# KiCad board CanardBoard.kicad_pcb (continued)
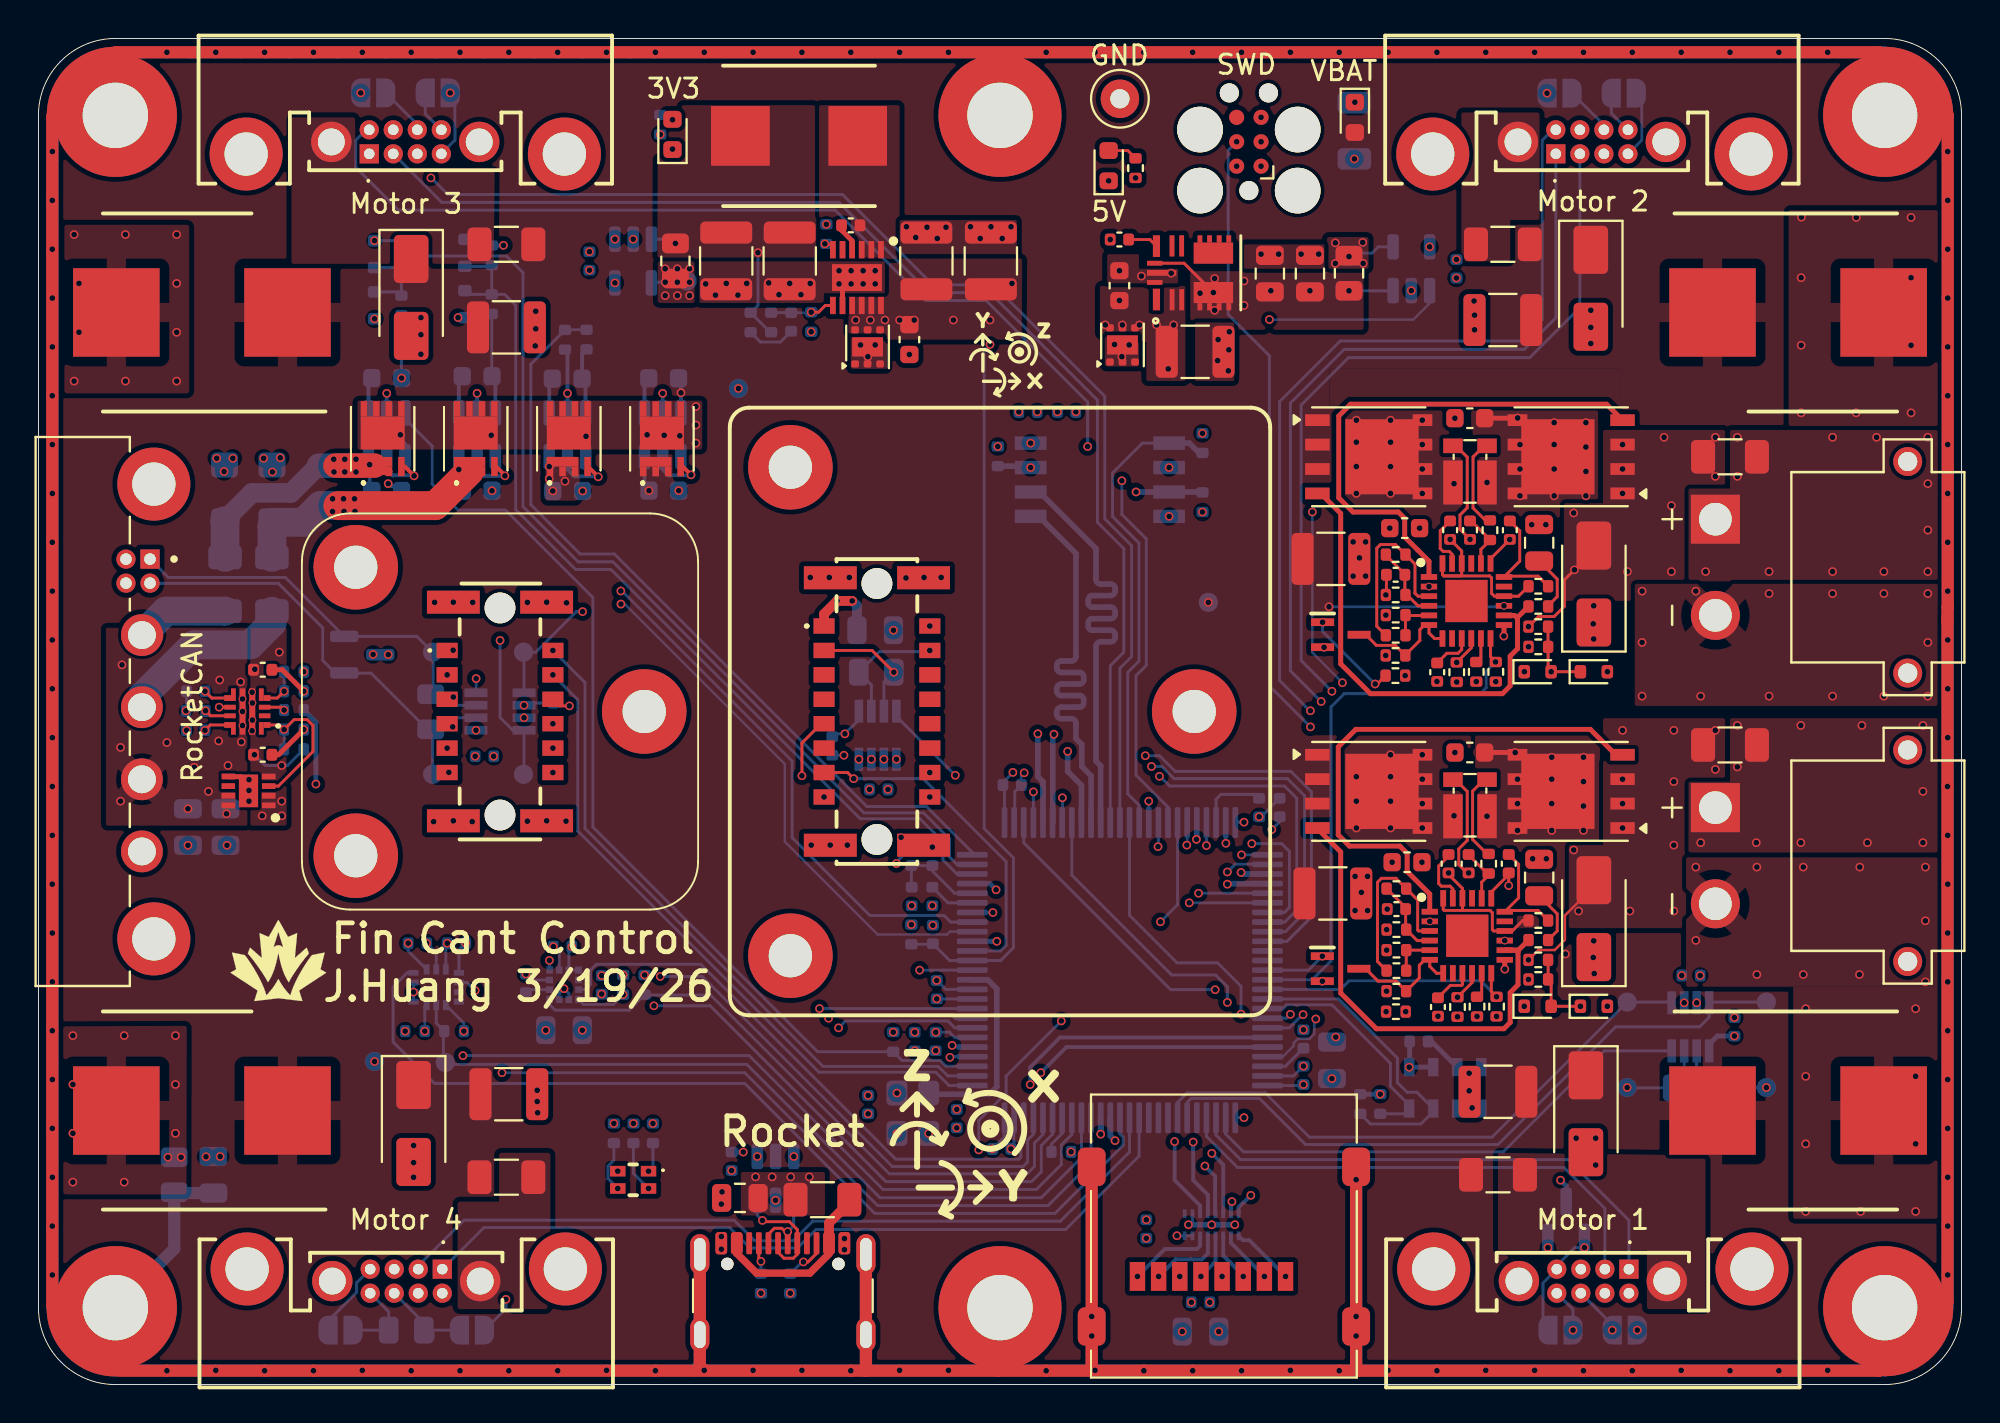
[diagram p0: board, top side]
## Routing (per net, layer and track width the routed paths; a pad name or vN(x,y) marks a point on that pad's centre or on a via; arc(x,y) is an arc through that point) (continued)
/Processor/VDDA: length 5.1
  Bottom w0.152: U1.21 47.64,25.55 46.48,26.71 C14.1 FB1.1 45.39,25.88 45.41,25.86
GND: length 50.3
  Top w0.152: v2(9.4,35.22) U14.8 ; 70.09,42.14 70.09,41.18 70.06,41.15 v2(70.06,41.06) ; v2(21.56,38.19) 21.55,38.17 J12.A1 ; 76.21,38.93 v2(76.2,38.92) ; v2(76.25,21.6) 76.25,21.7 76.25,21.71
  Top w0.203: 41.81,57.06 v2(41.63,57.24)
  Top w0.254: v2(10.95,31.46) 10.69,31.46 10.54,31.61 9.89,31.61 U24.5 ; C91.2 12.49,32.75 v2(13.79,34.06) ; U4.13 76.21,38.93 ; 76.25,21.71 U5.13 ; v2(13.79,36.05) 12.68,37.17 11.99,37.17 ; 41.81,56.12 41.81,57.06
  Bottom w0.152: U21.7 21.18,22.88 v2(21.26,22.95) ; v2(63.47,29.53) 63.58,29.53 C9.2 ; v2(25.35,21.35) 25.66,21.04 U15.6 ; v2(46.71,20.05) 46.96,20.05 46.97,20.05 U1.10 ; U21.3 v2(19.5,20.41) U21.1 ; 50.72,12.28 50.72,13.86 U1.99 ; v2(61.01,8.31) 60.01,8.31 60.01,8.88 U22.2 ; U1.74 65.27,16.05 v2(65.78,16.56) ; v2(74.55,14.39) 74.58,14.35 U2.5 ; U2.4 74.96,16.5 74.65,16.19 v2(74.4,16.19) 74.09,16.19 U2.3 ; v2(61.75,28.15) 61.75,28.23 61.74,28.24 U1.49 ; C8.2 50.14,31.19 50.14,31.3 v2(50.67,31.83) ; v2(41.88,32.73) 41.73,32.73 41.73,32.73 41.4,32.73 41.27,32.6 ; U1.26 50.24,31.1 ; v2(49.63,24.55) 49.63,24.55 U1.19 ; 46.6,20.05 46.79,20.05 ; v2(26.77,22.77) 27.08,22.47 U15.8 ; v2(46.48,24.91) 46.54,24.91 ; v2(7.67,35.04) 7.7,35.07 C58.2 ; v2(20.19,22.95) 20.68,22.45 U21.6 ; v2(25.25,35.33) 25.36,35.44 C55.2 ; R51.1 18.68,59.49 v2(17.47,59.49)
  Bottom w0.203: v2(24.18,59.24) 24.17,59.23 R53.1 23.41,59.4 22.3,59.4 22.17,59.52 ; C85.2 18.87,46.47 18.75,46.6 18.62,46.6 18.49,46.72 18.35,46.72 18.26,46.81 18.23,46.81 v2(18.19,46.85) ; U9.2 v2(18.11,51.55) ; U10.2 v2(22.81,51.55) ; R55.1 27.51,53.69 v2(27.51,51.55) U11.2 ; v2(32.46,51.55) U12.2
  Bottom w0.254: D10.3 79.44,10.33 v2(79.15,10.63) ; U2.3 72.44,17.84 C16.2 ; C48.2 v2(36.65,12.09)
  vias: v1(44.86,28.46) v2(1.79,18.15) v2(1.79,15.61) v2(1.79,13.07) v2(1.79,10.53) v2(1.85,59.8) v2(1.85,52.18) v2(2.11,57.26) v2(2.11,54.72) v2(4.52,59.8) v2(4.52,52.18) v2(4.46,18.15) v2(4.46,10.53) v2(6.73,11.82) v2(7.12,18.15) v2(7.12,15.61) v2(7.12,13.07) v2(7.19,59.8) v2(7.19,57.26) v2(7.19,54.72) v2(7.19,52.18) v2(7.42,11.82) v2(7.7,34.02) v2(7.77,28.04) v2(8.71,11.85) v2(9.27,48.17) v2(9.45,11.86) v2(9.65,47.48) v2(9.8,28.04) v2(10.11,48.17) v2(10.95,30.9) v2(10.95,30.34) v2(11.71,48.17) v2(12.17,47.46) v2(12.57,48.19) v2(17.4,37.97) v2(18.19,37.96) v2(19.51,12.43) v2(19.51,11.54) v2(19.51,10.78) v2(19.89,55.48) v2(19.89,54.59) v2(19.89,53.58) v2(20.55,29.27) v2(20.6,40.68) v2(21.58,40.69) v2(21.58,29.31) v2(22.58,40.68) v2(22.56,29.27) v2(23.58,46.48) v2(23.67,32.67) v2(25.43,40.68) v2(25.43,29.3) v2(25.83,54.01) v2(25.86,55.81) v2(25.86,54.9) v2(25.93,15.3) v2(25.93,14.72) v2(25.96,14.13) v2(26.42,40.69) v2(26.42,29.31) v2(26.75,31.83) v2(27.43,29.3) v2(27.46,40.65) v2(28.3,46.47) v2(28.28,18.43) v2(28.65,58.91) v2(29.29,20.31) v2(30.93,59.56) v2(32.97,64.25) v2(33.3,46.49) v2(34.7,57.24) v2(35.2,56.65) v2(35.55,10.02) v2(35.51,9.38) v2(35.51,7.7) v2(35.51,7.04) v2(35.76,57.26) v2(36.37,56.65) v2(36.83,57.26) v2(37.57,4.75) v2(37.97,57.29) v2(38.33,9.58) v2(38.51,56.68) v2(39.06,57.26) v2(39.09,4.75) v2(39.65,56.68) v2(40.13,57.26) v2(40.13,41.97) v2(40.18,54.75) v2(40.18,28.05) v2(40.97,60.34) v2(41.12,41.97) v2(41.17,28.05) v2(41.63,57.92) v2(41.91,7.59) v2(41.91,7.01) v2(42.06,28.05) v2(42.16,41.97) v2(42.26,57.92) v2(42.26,57.24) v2(42.75,54.06) v2(42.88,57.92) v2(42.88,57.24) v2(43.13,53.45) v2(43.14,15.04) v2(43.51,57.92) v2(43.51,57.24) v2(43.51,54.06) v2(43.96,32.52) v2(44.17,30.95) v2(44.46,39.23) v2(44.64,15.16) v2(45.14,60.21) v2(45.11,41.95) v2(45.29,53.57) v2(45.41,24.91) v2(45.62,59.65) v2(45.57,17.36) v2(46.05,41.97) v2(46.2,60.18) v2(46.35,39.44) v2(46.35,31.83) v2(46.48,27.95) v2(46.51,23.88) v2(46.74,59.6) v2(46.66,17.36) v2(46.94,41.97) v2(47.19,60.18) v2(47.75,14.31) v2(48.46,60.21) v2(48.97,59.6) v2(49.53,60.21) v2(50.11,59.6) v2(50.57,60.21) v2(50.57,12.25) v2(50.98,50.58) v2(53.7,12.1) v2(53.95,50.58) v2(55.65,62.6) v2(55.73,59.55) v2(55.96,54.09) v2(56.21,57.92) v2(56.34,53.45) v2(56.72,54.06) v2(57.35,57.64) v2(57.61,8.57) v2(58.79,45.15) v2(58.9,57.8) v2(59.35,5.62) v2(59.48,2.75) v2(59.8,8.31) v2(59.95,4.28) v2(61.34,54.34) v2(61.32,53.25) v2(61.93,54.75) v2(61.9,53.81) v2(61.87,52.72) v2(62.21,8.31) v2(63.58,65.9) v2(63.58,58.79) v2(64.49,58.79) v2(65.66,58.79) v2(65.78,18.45) v2(66.57,58.79) v2(66.76,20.97) v2(66.85,38.34) v2(67.46,18.07) v2(68.43,63.73) v2(68.36,43.82) v2(68.36,42.04) v2(68.46,26.43) v2(68.46,24.65) v2(68.69,42.99) v2(68.79,25.59) v2(69.01,43.82) v2(69.01,42.04) v2(69.11,26.43) v2(69.11,24.65) v2(70.06,40.01) v2(70.13,24.72) v2(70.1,23.66) v2(70.1,22.59) v2(70.27,44.54) v2(70.39,27.16) v2(71.07,36.87) v2(71.1,19.39) v2(71.39,56.89) v2(72.72,36.56) v2(72.77,19.15) v2(73.74,57.54) v2(73.65,50.25) v2(73.75,36.53) v2(73.65,32.87) v2(73.79,19.12) v2(74.4,15.28) v2(74.65,56.35) v2(74.68,55.61) v2(74.68,54.85) v2(74.77,36.55) v2(74.81,19.14) v2(77.48,38.36) v2(77.48,21.07) v2(77.65,44.71) v2(77.7,27.34) v2(78.38,44.71) v2(78.41,27.34) v2(79.96,12.81) v2(80.72,55.86) v2(80.72,54.98) v2(80.72,54.14) v2(80.85,39.56) v2(80.85,22.21) v2(80.87,40.5) v2(80.87,38.77) v2(80.87,23.07) v2(80.9,21.37) v2(80.97,12.81) v2(80.97,11.42) v2(81.58,37.07) v2(81.58,19.67) v2(83.39,41.26) v2(83.39,38.59) v2(83.39,35.8) v2(85.45,21.27) v2(85.58,19.85) v2(86.18,41.26) v2(86.18,26.91) v2(86.18,23.1) v2(86.44,35.8) v2(88.19,19.08) v2(89.36,26.91) v2(89.36,21.32) v2(89.99,41.13) v2(89.99,35.8) v2(91.67,60.71) v2(91.66,57.56) v2(91.66,54.04) v2(91.66,50.53) v2(91.77,26.91) v2(91.77,21.32) v2(91.9,19.54) v2(91.9,16.03) v2(91.9,12.52) v2(91.9,9) v2(93.29,41.13) v2(93.29,35.8) v2(94.52,60.69) v2(94.52,50.53) v2(94.71,26.91) v2(94.69,21.32) v2(94.75,9) v2(95.96,41.13) v2(95.96,35.8) v2(97.37,60.69) v2(97.37,57.56) v2(97.37,54.04) v2(97.37,50.53) v2(97.61,19.54) v2(97.61,16.03) v2(97.61,12.52) v2(97.61,9) v2(98.12,26.91) v2(98.12,24.11) v2(98.12,20.94) v2(98.25,41.13) v2(98.25,38.59) v2(98.25,35.8)
+VCHG: length 24.4
  Top w0.381: 18.07,47.49 Q7.S ; Q7.S Q7.S
  Top w1.27: 17.48,47.79 15.44,47.79
  In3.Cu w0.254: v2(17.22,47.84) 17.22,49.31 18.89,50.98 v2(18.89,52.34)
  Bottom w0.152: v2(18.89,52.34) 18.87,52.35 R50.1
  Bottom w0.203: C85.1 17.22,46.58 v2(17.22,47.84) 17.22,48.19 U9.6 ; 19.06,52.16 v2(18.89,52.34)
  Bottom w1.016: 14.58,47.79 14.55,47.79 13.13,46.37 11.1,46.37 9.68,44.94 ; 17.02,47.86 16.94,47.79 16.89,47.79
  Bottom w1.27: 14.58,47.79 16.89,47.79
  Bottom w1.5: D19.2 9.7,44.89 F8.2
  vias: v2(15.36,48.12) v2(15.37,47.46) v2(15.93,48.12) v2(15.93,47.46) v2(16.51,48.12) v2(16.51,47.46)
+VMUX: length 4.6
  Bottom w0.203: U9.4 19.06,48.91 18.82,49.15 v2(18.82,49.39) ; v2(23.55,49.36) 23.67,49.24 23.67,49 23.76,48.91 U10.4 ; U12.4 33.41,48.91 33.35,48.97 v2(33.35,49.34) ; v2(28.47,49.31) 28.47,48.62 28.46,48.6 U11.4
  vias: v2(31.65,49.39) v2(32.54,49.36) v2(34.19,50.86) v2(34.19,49.9) v2(34.19,48.96) v2(36.4,51.8) v2(42.49,55.36) v2(43.26,55.36) v2(44.02,55.36) v2(44.78,55.36) v2(45.54,55.36) v2(47.57,55.36) v2(49.48,55.36) v2(50.62,57.26) v2(55.47,55.1) v2(56.21,56.37) v2(56.36,55.1) v2(57.25,55.1) v2(58.14,55.1) v2(58.75,52.82) v2(59.03,55.1)
/32G IMU/IMU_INT1: length 48.9
  Bottom w0.152: U1.88 56.24,13.04 56.41,12.86 56.41,12.45 52.86,8.9 43.48,8.9 36.73,15.66 26.18,15.66 26.11,15.73 25.76,15.73 25.68,15.66 20.6,15.66 18.44,17.82 18.44,20.68 19.17,21.41 U21.4
/32G IMU/IMU_INT2: length 42.9
  In3.Cu w0.152: v2(22.71,20.49) 22.71,17.18 23.67,16.22 v2(24.1,16.22)
  Bottom w0.152: v2(22.71,20.49) 22.28,20.91 U21.9 ; v2(24.1,16.22) 36.73,16.22 43.64,9.31 52.5,9.31 54.74,11.54 U1.91
/32G IMU/IMU_SCL: length 42.1
  Bottom w0.152: U21.13 20.68,18.8 R75.2 21.06,18.33 21.06,16.95 21.36,16.65 36.83,16.65 43.76,9.71 52.15,9.71 54.24,11.8 U1.92
/32G IMU/IMU_SDA: length 44.4
  In3.Cu w0.152: v2(22.07,17.1) 21.31,17.1 20.09,18.33 v2(20.09,18.38) 18.51,16.8 v2(17.47,16.8)
  Bottom w0.152: v2(20.09,18.38) 20.09,19.64 U21.14 ; v2(22.07,17.1) 36.96,17.1 43.92,10.14 51.89,10.14 53.19,11.44 53.19,12.46 53.74,13 U1.93 53.75,13.86
/AD Breakout/ADC_INT: length 41.4
  In3.Cu w0.152: v2(21.34,31.84) 21.78,31.4 34.76,31.4 36.75,33.39 46.66,33.39 52.04,28 58.19,28 v2(58.22,27.97)
  Bottom w0.152: U1.42 58.24,28.02 58.22,28 v2(58.22,27.97)
/AD Breakout/ADI_SCL: length 45.4
  In3.Cu w0.152: v2(21.54,34.2) 21.57,34.23 21.68,34.23 23.28,35.82 27.3,35.82 29.82,38.34 38.96,38.34 43.15,34.15 47.12,34.15 52.48,28.79 59.77,28.79 v2(60.21,28.35)
  Bottom w0.152: v2(60.21,28.35) 60.24,28.37 U1.46
/AD Breakout/ADI_SDA: length 48.8
  In3.Cu w0.152: v2(60.73,28.03) 60.73,28.44 59.95,29.22 52.6,29.22 47.29,34.53 43.43,34.53 39.19,38.77 29.74,38.77 27.15,36.18 22.71,36.18 21.08,34.55 21.08,33.26 v2(21.25,33.09)
  Bottom w0.152: U1.47 60.74,28.03 v2(60.73,28.03)
/AD Breakout/ADXL_INT: length 39.6
  Top w0.152: J12.B3 27.09,35.29 v2(27.61,35.29)
  In3.Cu w0.152: v2(27.61,35.29) 27.61,35.55 29.97,37.91 38.79,37.91 42.93,33.77 46.89,33.77 52.25,28.41 59.36,28.41 v2(59.72,28.05)
  Bottom w0.152: U1.45 59.74,28.07 v2(59.72,28.05)
/AD Breakout/ADXRS_ST1: length 34.7
  Bottom w0.152: U1.1 47.35,15.55 46.66,16.24 40.59,16.24 28.04,28.79 28.04,35.61 v2(26.75,36.91)
/AD Breakout/ADXRS_ST2: length 35.4
  Bottom w0.152: U1.2 47.28,16.05 46.79,16.55 40.79,16.55 28.42,28.92 28.42,36.5 v2(26.75,38.17)
/Barometer/BAR_SCL: length 12.1
  Bottom w0.152: U1.67 64.7,19.55 64.9,19.75 67.26,19.75 70.3,16.71 70.3,15.51 71.28,14.53 U2.8 71,14.08 R6.2
/Barometer/BAR_SDA: length 16.2
  Bottom w0.152: R7.2 69.26,13.55 71.88,13.55 72.53,14.19 U2.7 71.68,15.2 71.17,15.2 70.66,15.71 70.66,16.98 67.59,20.05 U1.66
/Flash/FLASH_CLK: length 25.4
  Bottom w0.293: U8.6 52.05,46.42 54.99,43.47 54.99,41.87 arc(55.06,41.7) 55.23,41.63 55.75,41.63 arc(55.92,41.56) 55.99,41.39 55.99,41.27 arc(55.92,41.1) 55.75,41.03 54.79,41.03 arc(54.65,40.97) 54.59,40.83 54.59,40.63 arc(54.65,40.49) 54.79,40.43 55.75,40.43 arc(55.92,40.36) 55.99,40.19 55.99,40.07 arc(55.92,39.9) 55.75,39.83 54.79,39.83 arc(54.65,39.77) 54.59,39.63 54.59,39.43 arc(54.65,39.29) 54.79,39.23 55.75,39.23 arc(55.92,39.16) 55.99,38.99 55.99,38.87 arc(55.92,38.7) 55.75,38.63 55.23,38.63 arc(55.06,38.56) 54.99,38.39 54.99,32.42 55.24,32.18 U1.36
/Flash/FLASH_CS: length 24.8
  Bottom w0.152: U8.1 57.4,48.96 55.85,47.41 55.85,45.14 57.23,43.76 57.23,37.62 56.64,37.03 56.64,30.72 57.23,30.13 57.23,29.23 U1.40
  Bottom w0.293: R47.2 60.35,48.45 59.84,48.96 U8.1
/Flash/FLASH_IO0: length 23.9
  Bottom w0.293: U8.5 52.02,45.15 53.95,43.22 53.95,37.87 arc(53.88,37.7) 53.71,37.63 53.19,37.63 arc(53.02,37.56) 52.95,37.39 52.95,37.27 arc(53.02,37.1) 53.19,37.03 54.15,37.03 arc(54.29,36.97) 54.35,36.83 54.35,36.63 arc(54.29,36.49) 54.15,36.43 53.19,36.43 arc(53.02,36.36) 52.95,36.19 52.95,36.07 arc(53.02,35.9) 53.19,35.83 54.15,35.83 arc(54.29,35.77) 54.35,35.63 54.35,35.43 arc(54.29,35.29) 54.15,35.23 53.19,35.23 arc(53.02,35.16) 52.95,34.99 52.95,34.87 arc(53.02,34.7) 53.19,34.63 53.71,34.63 arc(53.88,34.56) 53.95,34.39 53.95,33.59 54.25,33.28 54.25,32.14 54.74,31.66 54.74,29.23 U1.35
/Flash/FLASH_IO1: length 20.9
  In3.Cu w0.293: v2(58.79,47.69) 58.79,47.3 53.7,42.2 53.7,33.67 53.52,33.49 v2(53.52,32.93)
  Bottom w0.293: U1.34 54.24,31.17 53.52,31.89 v2(53.52,32.93)
/Flash/FLASH_IO2: length 22.7
  In3.Cu w0.293: v2(57.07,46.42) 56.64,46.42 52.81,42.58 v2(52.81,33.82)
  Bottom w0.293: U1.31 52.75,29.24 52.75,33.76 v2(52.81,33.82) ; R48.2 60.5,46.42 U8.3 v2(57.07,46.42)
/Flash/FLASH_IO3: length 20.5
  In3.Cu w0.293: v2(51.59,47.69) 51.97,47.31 v2(51.97,33.84)
  Bottom w0.293: v2(51.59,47.69) 51.52,47.76 R49.2 ; U1.30 52.24,31.34 51.97,31.61 v2(51.97,33.84)
/Magnetometer/INT1_MAG_ACCEL: length 30.3
  Bottom w0.152: U15.12 28.43,20.54 28.7,20.81 28.7,21.55 29.01,21.85 34.44,21.85 44.58,11.72 50.98,11.72 51.08,11.82 51.08,12.84 51.23,12.99 51.23,13.17 51.24,13.18 U1.98
/Magnetometer/INT_MAG: length 32.3
  In3.Cu w0.152: v2(32.33,21.22) 31.5,22.06 v2(26.57,22.06)
  Bottom w0.152: v2(32.33,21.22) 34.52,21.22 44.4,11.34 51.21,11.34 51.43,11.57 51.43,12.71 51.74,13.01 U1.97 ; v2(26.57,22.06) 26.58,22.05 U15.7
/Magnetometer/MAG_SCL: length 31.7
  In3.Cu w0.152: v2(30.4,20.28) 31.42,20.28 v2(32,19.7)
  Bottom w0.152: U15.1 28.34,19.77 29.89,19.77 v2(30.4,20.28) ; v2(32,19.7) 34.92,19.7 44.07,10.55 51.64,10.55 52.15,11.06 52.15,12.43 52.74,13.02 U1.95
/Magnetometer/MAG_SDA: length 32.9
  Bottom w0.152: U15.4 26.58,19.75 26.87,19.47 30.71,19.47 R63.1 31.52,20.1 31.67,20.25 34.95,20.25 44.25,10.96 51.41,10.96 51.79,11.34 51.79,12.56 52.24,13 U1.96
/Movella/M_SYNC_IN1: length 18.7
  Top w0.152: v2(39.7,31.66) 39.7,33.36 40.7,34.36 J11.A5
  In3.Cu w0.152: v2(39.7,31.66) 39.7,27.67 v2(45.82,21.55)
  Bottom w0.152: v2(45.82,21.55) U1.13
/Movella/M_SYNC_OUT: length 17.6
  Top w0.152: J11.A7 42.07,31.83 v2(42.39,31.51)
  Bottom w0.152: v2(42.39,31.51) 46.01,31.51 50.32,27.19 50.32,22.84 50.02,22.55 U1.15
/Movella/MCAN_H: length 6.3
  Top w0.152: v2(44.48,37.04) 43.35,38.17 J11.A2
  Bottom w0.152: v2(44.48,37.04) 43.96,36.53 U16.7
/Movella/MCAN_L: length 6.5
  Bottom w0.152: v2(46.35,38.17) 46.29,38.11 43.72,38.11 R65.1 43.31,36.39 U16.6
/Movella/MCAN_RX: length 24.3
  In3.Cu w0.152: v2(42.66,32.52) 43.15,33 45.78,33 46.89,31.89 46.89,31.56 51.33,27.11 61.98,27.11 62.41,27.54 v2(62.56,27.54)
  Bottom w0.152: v2(62.56,27.54) 63.9,27.54 U1.51
/Movella/MCAN_STB: length 28.3
  In3.Cu w0.152: v2(63.09,28.13) 62.41,28.13 61.8,27.52 51.84,27.52 v2(47.68,31.68)
  Bottom w0.152: U1.57 64.8,24.55 65.05,24.8 65.05,27.72 64.64,28.13 v2(63.09,28.13) ; v2(47.68,31.68) 44.61,34.75 U16.8
/Movella/MCAN_TX: length 21.9
  In3.Cu w0.152: v2(44.61,32.52) 45.05,32.52 46.29,31.28 46.58,31.28 51.21,26.66 v2(61.82,26.66)
  Bottom w0.152: v2(61.82,26.66) 62.23,27.06 63.9,27.06 U1.52
/Movella/UART_RXD: length 19.6
  In3.Cu w0.152: v2(46.35,30.56) 46.36,30.54 46.71,30.54 51.71,25.54 60.13,25.54 60.15,25.55 v2(60.32,25.55)
  Bottom w0.152: v2(60.32,25.55) U1.55
/Movella/UART_TXD: length 25.3
  In3.Cu w0.152: v2(40.85,30.56) 41.45,29.96 46.71,29.96 51.61,25.05 59.63,25.05 59.64,25.05 v2(59.84,25.05)
  Bottom w0.152: v2(59.84,25.05) U1.56
/Power Input/BAT1_IN: length 19.9
  Top w0.152: D2.2 80.88,43.38 v2(79.87,42.36) 79.35,41.84 79.35,40.47 78.82,39.94 78.44,39.94 78.43,39.94 78,39.94 v2(77.48,39.41)
  In3.Cu w0.152: v1(72.31,41.5) 72.81,41.5 74.89,39.41 v2(77.48,39.41) ; v1(72.31,41.5) 72.31,41 70.06,38.75 v2(70.06,37.91) ; v1(72.31,41.5) 72.31,42 71.83,42.48 71.83,44.52 v2(71.82,44.54)
  vias: v2(79.83,45.32) v2(82.37,48.88) v2(82.37,47.61) v2(82.37,46.34) v2(82.63,42.28) v2(84.53,49.26) v2(84.91,45.7) v2(84.91,42.28) v2(87.2,49.26) v2(87.2,47.23)
/Power Input/BAT2_IN: length 19.8
  Top w0.127: v2(77.48,22.08) 77.99,22.59 78.84,22.59 79.37,23.12 79.37,24.39 80.88,25.9 D3.2
  In3.Cu w0.152: v2(70.1,20.46) 70.1,21.34 72.35,23.59 v1(72.35,24.09) ; v1(72.35,24.09) 72.77,24.09 74.78,22.08 v2(77.48,22.08) ; v1(72.35,24.09) 72.35,24.59 71.94,24.99 v2(71.94,27.16)
  vias: v2(79.83,27.8) v2(80.09,24.62) v2(82.37,34.02) v2(82.37,31.48) v2(82.37,30.21) v2(82.37,28.94) v2(82.75,24.62) v2(85.04,34.02) v2(85.04,31.35) v2(85.04,28.05) v2(85.04,24.62) v2(87.2,34.02) v2(87.2,31.99)
/Power Input/BAT_FLT1: length 28.3
  Top w0.152: R33.1 75.51,37.85 U4.12
  Bottom w0.152: v2(75.77,37.58) 75.29,37.09 75.29,36.23 74.98,35.93 67.89,35.93 67.21,35.24 67.21,22.03 66.23,21.05 U1.64
/Power Input/BAT_FLT2: length 13.8
  Top w0.152: v2(75.82,20.16) 75.55,20.44 U5.12
  Bottom w0.152: v2(75.82,20.16) 74.99,20.99 68.14,20.99 67.7,20.55 66.94,20.55 66.94,20.55 66.58,20.55 66.58,20.55 U1.65
/Power Input/ISENS_BAT1: length 28.2
  Top w0.152: U4.10 74.51,38.31 v2(73.75,37.55)
  In3.Cu w0.152: v2(73.75,37.55) 73.74,37.55 73.23,37.04 72.34,37.04 71.98,37.4 67,37.4 60.81,31.2 52.12,31.2 51.74,30.82 v2(51.74,30.82)
  Bottom w0.152: v2(51.74,30.82) 51.74,30.64 U1.29
/Power Input/ISENS_BAT2: length 30.3
  Top w0.152: U5.10 74.55,20.9 v2(73.79,20.14)
  In3.Cu w0.152: v2(61.19,20.53) 62.73,20.53 65.27,17.99 66.29,17.99 66.98,18.68 71.4,18.68 72.86,20.14 v2(73.79,20.14)
  Bottom w0.152: v2(61.19,20.53) 61.19,20.53 58.88,20.53 51.24,28.18 U1.28
/Power Input/PWR_EN: length 28.2
  Top w0.152: R41.2 69.62,36.43 v2(69.51,36.43)
  In3.Cu w0.152: v2(70.08,19.39) 69.65,19.39 v2(66.76,22.28) 66.62,22.41 66.62,30.85 69.51,33.73 v2(69.51,36.43)
  Bottom w0.152: 69.51,36.35 v2(69.51,36.43) 66.77,39.16 v2(66.77,39.64) ; v2(66.76,22.28) 66.04,21.55 U1.63
/Power Input/VSENS_BAT1: length 34.3
  Top w0.152: D5.1 v2(78.66,37.07) 78.5,37.23 78.5,38.47 78.5,38.47 78.5,39.48
  In3.Cu w0.152: v2(78.66,37.07) 77.54,35.95 71.12,35.95 70.08,36.99 67.34,36.99 61.16,30.82 53.55,30.82 v2(53.24,30.51)
  Bottom w0.152: v2(53.24,30.51) 53.24,29.23 U1.32
/Power Input/VSENS_BAT2: length 38.2
  Top w0.152: R15.2 78.5,22.08 R16.1 78.66,20.91 D6.2 v2(80.18,19.67)
  In3.Cu w0.152: v2(80.18,19.67) 78.1,17.59 64.9,17.59 62.61,19.87 v2(61.82,19.87)
  Bottom w0.152: U1.33 53.74,26.49 58.93,21.3 61.21,21.3 61.82,20.69 v2(61.82,19.87)
/Power Muxing/CHG_MUX_EN: length 51.9
  Bottom w0.152: U9.3 19.06,50.22 20.47,48.8 20.47,46.82 21.82,45.48 24.28,45.48 28.83,40.93 28.83,28.99 40.51,17.31 R8.2 44.91,16.85 46.89,16.85 47.19,16.55 U1.3
/Power Muxing/VSENS_CHG: length 55.2
  Bottom w0.152: D14.1 18.68,58.09 R51.2 ; D13.2 18.68,56.82 R50.2 R51.2 ; U1.24 47.76,27.05 47.37,27.44 47.37,28.38 46.02,29.73 42.93,29.73 29.87,42.78 28.07,42.78 25.2,45.65 25.2,57.82 24.33,58.69 19.28,58.69 R51.2
/Power Muxing/VSENS_RKT: length 48.7
  Bottom w0.152: U1.23 47.76,26.55 47.04,27.27 47.04,28.22 45.84,29.42 42.73,29.42 29.77,42.39 27.93,42.39 24.82,45.5 24.82,56.12 24.24,56.69 R52.2 ; R52.2 R53.2 23.51,58.15 22.17,58.15 ; R52.2 22.36,56.69 D15.2
/Power Muxing/VSENS_USB: length 41.5
  Bottom w0.152: U1.25 48.56,27.68 46.18,30.06 43.08,30.06 29.95,43.19 28.17,43.19 25.6,45.76 25.6,53.06 R55.2 27.39,54.85 28.5,54.85
/Power Rails/ISENS_3V3: length 77.9
  In3.Cu w0.127: v2(64.01,55.38) 64.01,53.88 61.8,51.67 48.46,51.67 37.87,41.08 30.78,41.08 v2(30.29,40.59)
  Bottom w0.127: v2(64.01,55.38) 71.5,55.38 72.34,56.22 U19.1 ; v2(30.29,40.59) 30.49,40.59 38.81,32.27 38.81,28.23 43.64,23.4 47.24,23.4 47.4,23.56 48.55,23.56 U1.17
/Power Rails/ISENS_5V: length 46.3
  In3.Cu w0.152: v2(29.98,59.56) 30.48,59.06 30.48,41.82 30.28,41.62 v2(30.28,41.27)
  Bottom w0.152: v2(30.28,41.27) 30.35,41.27 39.19,32.42 39.19,28.43 43.23,24.39 47.1,24.39 47.44,24.05 U1.18
/Processor/EN_EXT_5V: length 52
  Top w0.152: U24.3 12.47,31.12 14.27,32.92 14.27,34.28 13.97,34.58 13.29,34.58 v2(12.77,34.06) 12.53,34.3 U14.1
  In3.Cu w0.152: v2(12.77,34.06) 16.06,30.77 34.59,30.77 46.13,19.24 46.13,18.02 46.33,17.82 46.82,17.82 47.09,17.55 47.09,17.26 47.33,17.02 v2(47.4,17.02)
  Bottom w0.152: R61.2 v2(12.77,34.06) ; v2(47.4,17.02) 47.43,17.05 U1.4
/Processor/LED_B: length 21.6
  In3.Cu w0.152: v2(40.61,19.55) 40.4,19.34 34.87,19.34 29.92,14.39 29.92,13.6 29.9,13.58 v2(29.92,13.58)
  Bottom w0.152: v2(40.61,19.55) U1.9
/Processor/LED_G: length 20.7
  In3.Cu w0.152: v2(30.94,13.58) 30.94,14.67 35.18,18.91 40.94,18.91 v2(41.09,19.05)
  Bottom w0.152: U1.8 48.55,19.03 47.68,19.03 47.47,19.24 41.27,19.24 v2(41.09,19.05)
/Processor/LED_R: length 19.8
  In3.Cu w0.152: v2(41.6,18.55) 41.46,18.4 35.38,18.4 31.95,14.97 31.95,13.6 31.98,13.58 v2(31.95,13.58)
  Bottom w0.152: v2(41.6,18.55) 41.96,18.91 47.29,18.91 47.65,18.55 48.56,18.55 U1.7
/Processor/NRST: length 56.7
  In3.Cu w0.152: v2(49.48,54.09) 59.19,63.8 62.75,63.8 v2(63.58,64.63)
  Bottom w0.152: 46.37,22.94 46.44,22.87 ; R1.2 46.48,22.9 C1.1 47.38,22.05 U1.14 ; 48.54,22.03 U1.14 ; U1.14 50.03,22.05 50.7,22.72 50.7,27.39 49.17,28.92 49.17,53.78 v2(49.48,54.09)
/Processor/PG_EXT_5V: length 44.7
  Top w0.152: U14.3 12.62,35.22 v2(12.77,35.08)
  In3.Cu w0.152: v2(47.51,17.64) 47.4,17.75 47.4,18.7 35,31.1 17.5,31.1 13.95,34.65 13.2,34.65 v2(12.77,35.08)
  Bottom w0.152: U1.5 47.6,17.55 v2(47.51,17.64)
/Processor/PWM1: length 42.8
  In3.Cu w0.152: J6.5 81.82,3.87 76.38,3.87 75.56,4.68 75.56,8.54 66.95,17.16 64.64,17.16 v2(62.53,19.26)
  Bottom w0.152: U1.39 56.74,24.4 59.21,21.93 61.32,21.93 62.53,20.71 v2(62.53,19.26)
/Processor/PWM2: length 54.1
  In3.Cu w0.152: v2(66.14,35.04) 64.13,33.03 64.13,33.03 61.44,30.34 v2(57.73,30.34) ; 78.74,65.25 J5.5
  Bottom w0.152: U1.41 57.74,30.34 v2(57.73,30.34) ; v2(66.14,35.04) 66.12,35.04 64.54,36.61 64.54,51.12 67.69,54.27 77.09,54.27 78.2,55.37 78.2,64.7 78.74,65.25 J5.5
/Processor/PWM3: length 69.5
  In3.Cu w0.152: v2(56.34,47) v2(54.56,48.78)
  Bottom w0.152: J8.5 17.04,65.25 16.5,64.7 16.5,63.3 18.72,61.07 41.43,61.07 46.13,56.37 49.28,56.37 54.56,51.09 v2(54.56,48.78) ; U1.43 58.74,30.02 57.07,31.69 57.07,36.87 57.61,37.4 57.61,43.98 56.34,45.25 v2(56.34,47)
/Processor/PWM4: length 54
  In3.Cu w0.152: J7.5 21.93,3.82 42.16,3.82 48.89,10.55 v2(48.89,12.2) ; v2(58.34,24.06) v2(53.19,18.91)
  Bottom w0.152: v2(53.19,18.91) 50.32,16.04 50.32,15.15 48.89,13.73 v2(48.89,12.2) ; v2(58.34,24.06) 59.23,24.95 59.23,29.22 U1.44
/Processor/RCAN_RX: length 62.4
  In3.Cu w0.152: v2(24,38.69) 25.02,39.71 39.57,39.71 43.87,35.42 48.95,35.42 52.4,31.96 57.7,31.96 v2(57.88,32.14)
  Bottom w0.152: 57.88,32.15 v2(57.88,32.14) 58.42,32.14 59.05,31.51 64.95,31.51 65.84,30.62 65.84,24.55 64.84,23.55 U1.59 ; TP7.1 25.25,31.76 U13.4 24.67,34.03 24,34.69 v2(24,38.69)
/Processor/RCAN_STB: length 55.8
  In3.Cu w0.152: v2(22.76,36.71) 25.32,39.28 39.34,39.28 43.66,34.96 48.82,34.96 52.2,31.58 58.25,31.58 v2(58.29,31.63)
  Bottom w0.152: v2(22.76,36.71) 22.76,35.98 U13.8 ; v2(58.29,31.63) 58.32,31.63 58.83,31.13 64.8,31.13 65.43,30.49 65.43,24.67 64.81,24.05 U1.58 63.9,24.04
/Processor/RCAN_TX: length 57.4
  In3.Cu w0.152: v2(28.3,40.19) 28.37,40.12 39.83,40.12 44.07,35.88 49.1,35.88 52.6,32.37 57.23,32.37 v2(57.56,32.7)
  Bottom w0.152: v2(57.56,32.7) 58.29,32.7 59.11,31.89 65.13,31.89 66.19,30.82 66.19,24.32 64.92,23.05 U1.60 ; U13.1 25.25,38.06 TP8.1 25.86,38.08 27.97,40.19 v2(28.3,40.19)
/Processor/RCC_osc_In: length 9.9
  Bottom w0.293: U1.12 49.36,21.05 49.83,20.58 49.83,15.48 49.45,15.1 46.62,15.1
/Processor/S_CAN_RX: length 35.5
  Bottom w0.152: U1.81 59.74,14.67 59.94,14.88 63.49,14.88 65.89,12.48 75.9,12.48 82.02,18.6 86.38,18.6 86.88,19.1 U6.4 ; TP3.1 86.91,19.89
/Processor/S_CAN_STB: length 26.6
  Bottom w0.152: U6.8 81.43,17.35 76.17,12.1 62.66,12.1 61.74,13.03 U1.77
/Processor/S_CAN_TX: length 30.5
  Bottom w0.152: 84.89,19.89 TP4.1 75.59,12.86 66.09,12.86 63.78,15.17 59.74,15.17 59.24,14.67 U1.82
/Processor/SD_CLK: length 21.6
  In3.Cu w0.293: v2(60.66,11.36) 58.14,11.36 50.16,19.34 50.16,22.72 v2(49.83,23.05)
  Bottom w0.203: v2(60.66,11.36) 61.19,10.83 61.19,8.9 U22.5
  Bottom w0.254: U1.16 49.58,23.05 49.58,23.05 v2(49.83,23.05)
/Processor/SD_CMD: length 24.5
  In3.Cu w0.293: v2(61.01,12.02) 58.83,12.02 51.05,19.8 51.05,24.47 v2(49.8,25.73)
  Bottom w0.203: 61.16,12.02 v2(61.01,12.02) 61.61,11.43 U22.6
  Bottom w0.254: U1.22 49.47,26.05 v2(49.8,25.73)
/Processor/SD_D0: length 20.5
  In3.Cu w0.293: v2(62.53,26.63) 62.53,25.44 60.05,22.95 v2(60.05,12.61)
  Bottom w0.203: U22.4 60.81,9.87 60.05,10.63 v2(60.05,12.61)
  Bottom w0.293: v2(62.53,26.63) 62.61,26.55 U1.53
/Processor/SD_D1: length 20.9
  In3.Cu w0.293: v2(61.82,26.02) 59.08,23.28 v2(59.08,12.63)
  Bottom w0.203: U22.3 60.41,9.3 59.08,10.63 v2(59.08,12.63)
  Bottom w0.293: U1.54 63.91,26.05 61.85,26.05 v2(61.82,26.02)
/Processor/SD_D2: length 22.4
  In3.Cu w0.293: v2(63.04,9.84) 63.04,10.12 62.81,10.35 62.05,10.35 arc(61.88,10.42) 61.81,10.59 61.81,10.81 arc(61.74,10.98) 61.57,11.05 61.45,11.05 arc(61.28,10.98) 61.21,10.81 61.21,9.59 arc(61.14,9.42) 60.97,9.35 60.85,9.35 arc(60.68,9.42) 60.61,9.59 60.61,10.55 arc(60.55,10.69) 60.41,10.75 60.21,10.75 arc(60.07,10.69) 60.01,10.55 60.01,9.59 arc(59.94,9.42) 59.77,9.35 59.65,9.35 arc(59.48,9.42) 59.41,9.59 59.41,10.55 arc(59.35,10.69) 59.21,10.75 59.01,10.75 arc(58.87,10.69) 58.81,10.55 58.81,9.59 arc(58.74,9.42) 58.57,9.35 58.45,9.35 arc(58.28,9.42) 58.21,9.59 58.21,10.61 arc(58.14,10.78) 57.97,10.85 57.85,10.85 arc(57.68,10.78) 57.61,10.61 57.61,9.59 arc(57.54,9.42) 57.37,9.35 57.25,9.35 arc(57.08,9.42) 57.01,9.59 57.01,10.11 arc(56.94,10.28) 56.77,10.35 56.24,10.35 55.98,10.6 v2(55.98,12.69)